# Altium PCB Driver.PcbDoc (part 1 of 2) (continued)
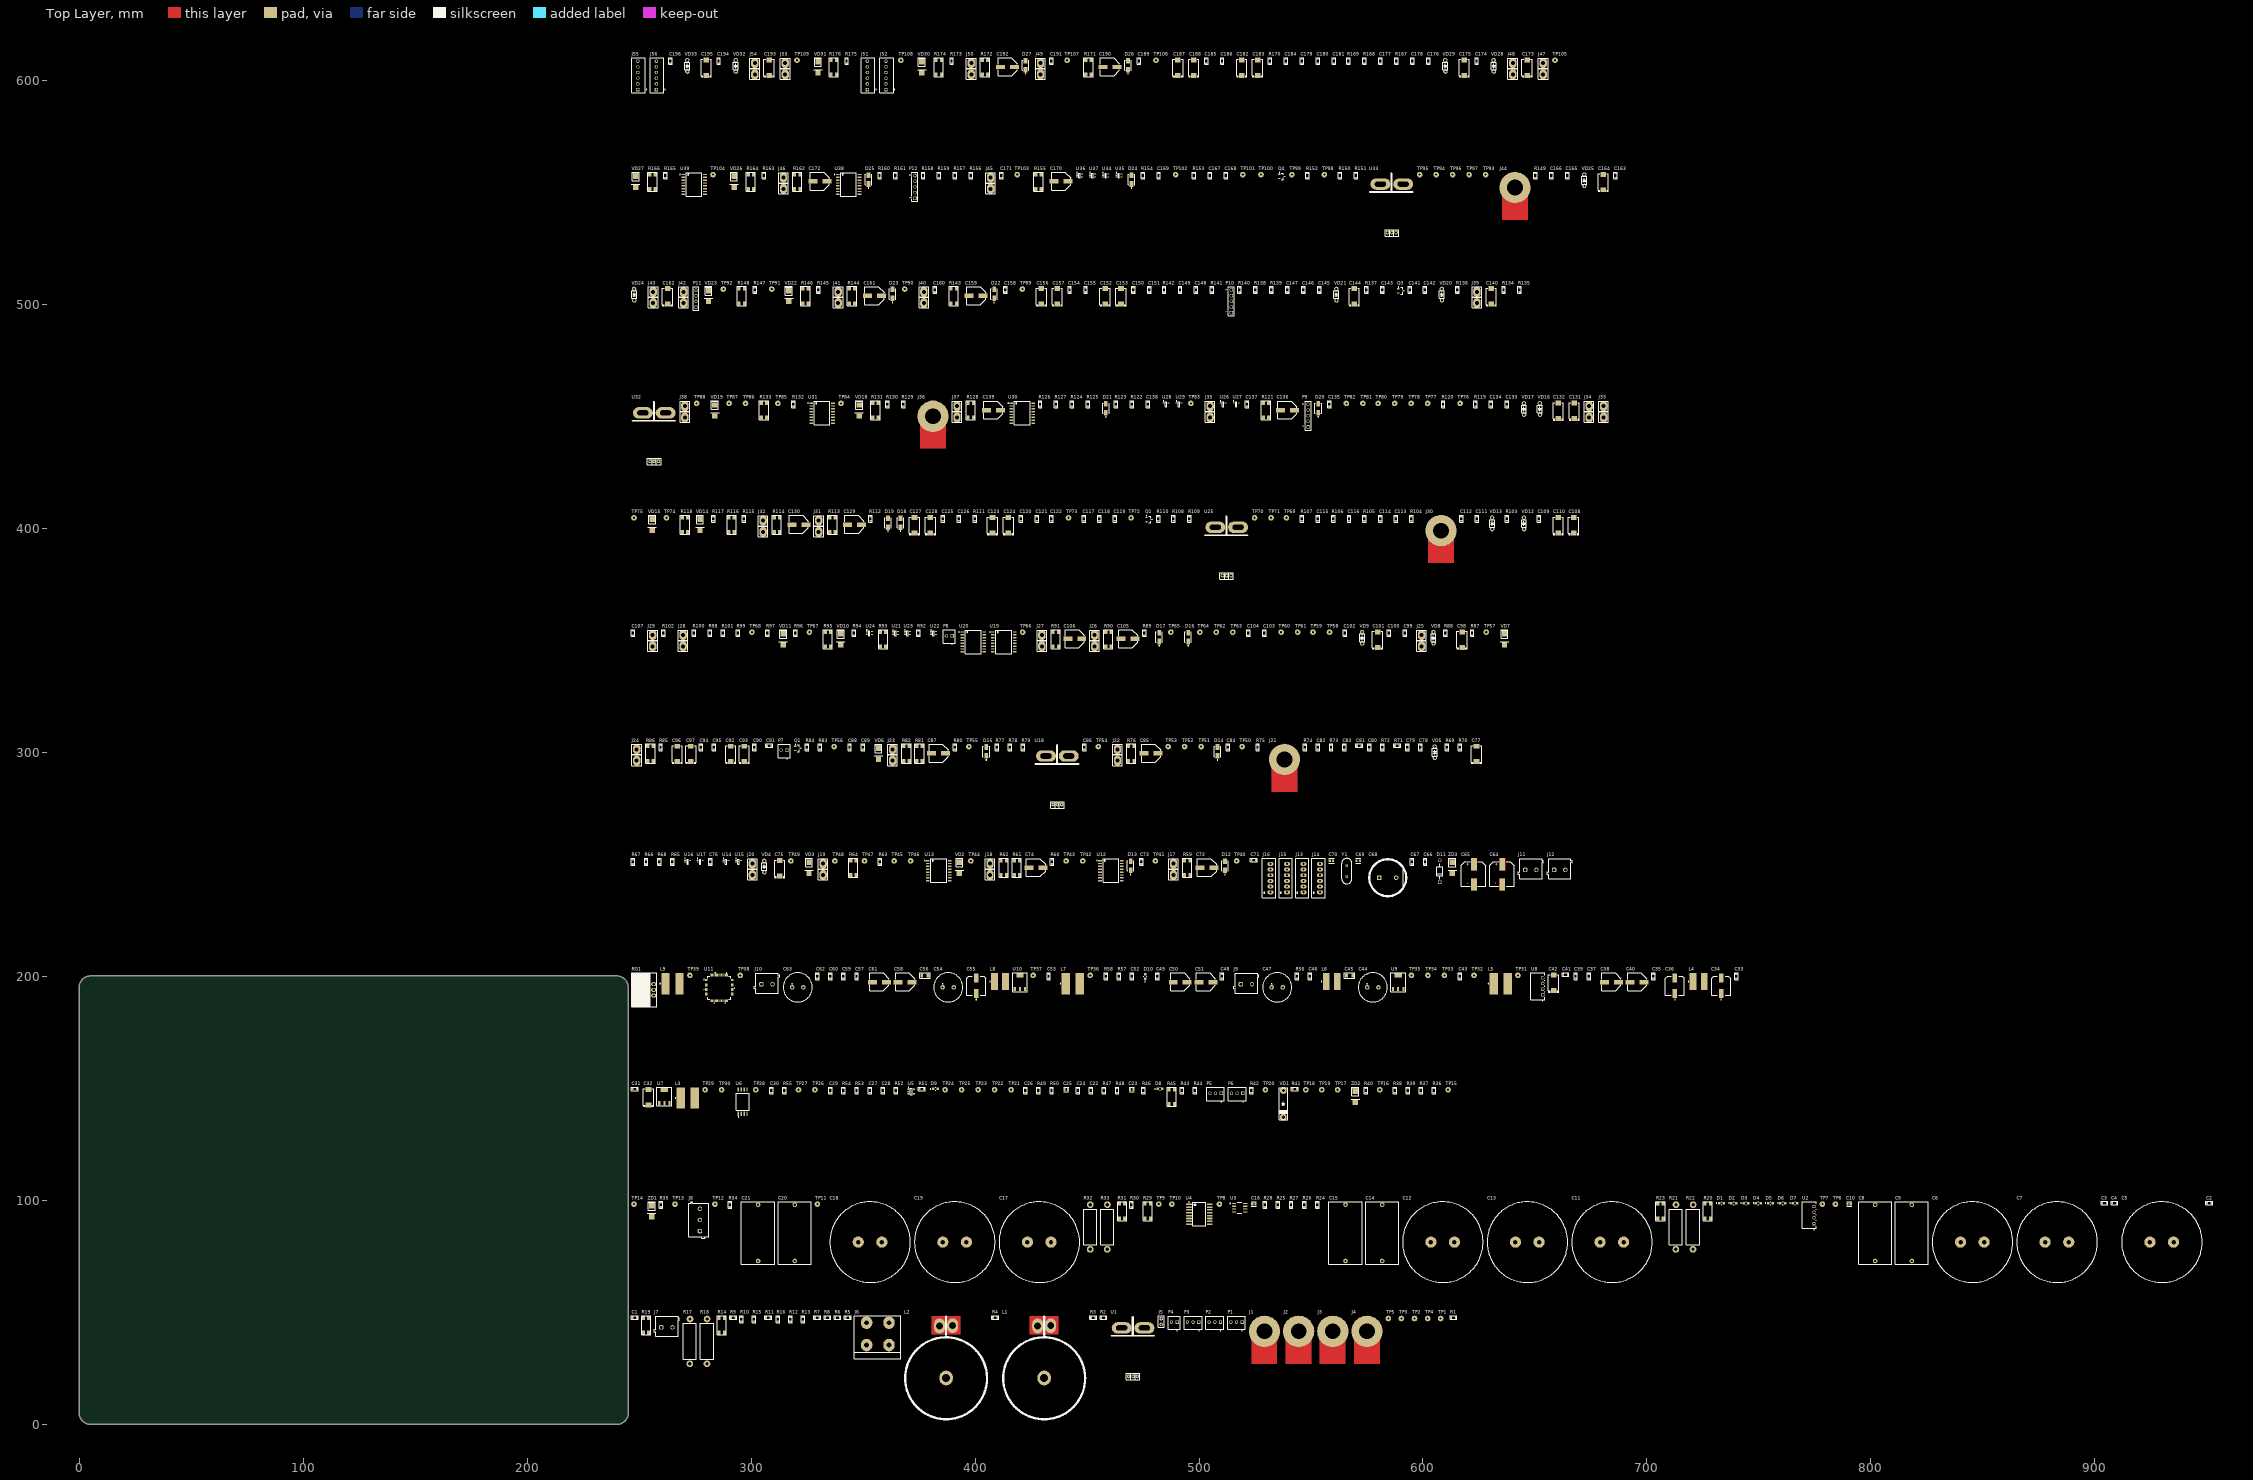
[diagram p0: Top Layer view]
## Components (designator, comment, footprint, x,y, rotation, side; value= is the part's Value field where it differs from the comment) (continued)
J49 "G" Klema_PCB_15A 429.209,605.28 r90 top
J50 "G" Klema_PCB_15A 398.289,605.28 r90 top
J51 "" Sullins_SWR25X-NRTC-S06-ST-BA_MFG 352.179,602.31 r90 top
J52 "" Sullins_SWR25X-NRTC-S06-ST-BA_MFG 360.499,602.31 r90 top
J53 "E" Klema_PCB_15A 315.189,605.28 r90 top
J54 "E" Klema_PCB_15A 301.599,605.28 r90 top
J55 "" Sullins_SWR25X-NRTC-S06-ST-BA_MFG 249.649,602.31 r90 top
J56 "" Sullins_SWR25X-NRTC-S06-ST-BA_MFG 257.969,602.31 r90 top
L1 "Coil" Coil_drosel 440.989,15.131 r0 top
L2 "Coil" Coil_drosel 397.189,15.131 r0 top
L3 "744776227" WE-PD2_1054 1541.637,1415.608 r0 top
L4 "1000µH, 0.3A" WE-PD2_7850 723.079,197.681 r0 top
L5 "744776227" WE-PD2_1054 1904.656,1466.688 r0 top
L6 "1000µH, 0.3A" WE-PD2_7850 559.239,197.681 r0 top
L7 "744776227" WE-PD2_1054 1713.627,1466.688 r0 top
L8 "1000µH, 0.3A" WE-PD2_7850 411.099,197.681 r0 top
L9 "744776227" WE-PD2_1054 1534.867,1466.688 r0 top
P1 "61900311121" 61900311121 516.709,45.231 r0 top
P2 "61900311121" 61900311121 507.029,45.231 r0 top
P3 "61900311121" 61900311121 497.349,45.231 r0 top
P4 "61900211121" 61900211121 488.939,45.231 r0 top
P5 "61900311121" 61900311121 507.359,147.391 r0 top
P6 "61900311121" 61900311121 517.039,147.391 r0 top
P7 "61900211121" 61900211121 314.689,300.63 r0 top
P8 "61900211121" 61900211121 388.429,351.71 r0 top
P9 "61300511121" 61300511121 548.709,450.34 r90 top
P10 "61300511121" 61300511121 514.449,501.42 r90 top
P11 "TSW-104-08-G-S" SMTC-TSW-104-08-X-S 275.349,498.8 r90 top
P12 "61300511121" 61300511121 373.129,552.5 r90 top
Q1 "BC847C" INF-SOT23_N 320.849,301.77 r0 top
Q2 "BC847C" INF-SOT23_N 477.709,403.93 r0 top
Q3 "BC847C" INF-SOT23_N 590.179,506.09 r0 top
Q4 "BC847C" INF-SOT23_N 536.979,557.17 r0 top
R1 "10K" RES-0805 613.589,47.571 r0 top
R2 "10K" RES-0805 457.319,47.571 r0 top
R3 "10K" RES-0805 452.799,47.571 r0 top
R4 "10K" RES-0805 408.999,47.571 r0 top
R5 "10K" RES-0805 343.089,47.571 r0 top
R6 "10K" RES-0805 338.569,47.571 r0 top
R7 "10K" RES-0805 329.539,47.571 r0 top
R8 "47K" RES-0805 334.059,47.571 r0 top
R9 "220" RES-0805 291.939,47.571 r0 top
R10 "220" RES-0805 295.699,46.801 r90 top
R11 "220" RES-0805 307.649,47.571 r0 top
R12 "220" RES-0805 317.579,46.801 r90 top
R13 "220" RES-0805 323.179,46.801 r90 top
R14 "330K" RES-2512 286.879,44.061 r90 top
R15 "220" RES-0805 301.289,46.801 r90 top
R16 "220" RES-0805 311.979,46.801 r90 top
R17 "100K" RES-2W 272.639,36.821 r90 top
R18 "100K" RES-2W 280.279,36.821 r90 top
R19 "330K" RES-2512 253.069,44.061 r90 top
R20 "330K" RES-2512 727.199,95.141 r90 top
R21 "100K" RES-2W 712.959,87.901 r90 top
R22 "100K" RES-2W 720.609,87.901 r90 top
R23 "330K" RES-2512 706.069,95.141 r90 top
R24 "10K" RES-0805 552.849,97.881 r90 top
R25 "10K" RES-0805 535.289,97.881 r90 top
R26 "10K" RES-0805 546.999,97.881 r90 top
R27 "10K" RES-0805 541.149,97.881 r90 top
R28 "10K" RES-0805 529.439,97.881 r90 top
R29 "330K" RES-2512 477.059,95.141 r90 top
R30 "100" RES-0805 469.919,97.881 r90 top
R31 "330K" RES-2512 465.629,95.141 r90 top
R32 "100K" RES-2W 451.389,87.901 r90 top
R33 "100K" RES-2W 459.039,87.901 r90 top
R34 "100" RES-0805 290.529,97.881 r90 top
R35 "10K" RES-0805 259.719,97.881 r90 top
R36 "10K" RES-0805 604.979,148.961 r90 top
R37 "220" RES-0805 599.119,148.961 r90 top
R38 "10K" RES-0805 587.419,148.961 r90 top
R39 "10K" RES-0805 593.269,148.961 r90 top
R40 "20K" RES-0805 574.459,148.961 r90 top
R41 "1K" RES-0805 542.689,149.731 r0 top
R42 "1K" RES-0805 523.369,148.961 r90 top
R43 "20K" RES-0805 492.309,148.961 r90 top
R44 "20K" RES-0805 498.159,148.961 r90 top
R45 "3K" RES-2512 487.749,146.221 r90 top
R46 "100K" RES-0805 475.139,148.961 r90 top
R47 "100K" RES-0805 457.599,148.961 r90 top
R48 "15K" RES-0805 463.449,148.961 r90 top
R49 "30K" RES-0805 428.349,148.961 r90 top
R50 "30K" RES-0805 434.199,148.961 r90 top
R51 "10K" RES-0805 376.129,149.731 r0 top
R52 "1K" RES-0805 364.699,148.961 r90 top
R53 "10K" RES-0805 347.149,148.961 r90 top
R54 "47K" RES-0805 341.289,148.961 r90 top
R55 "10K" RES-0805 314.859,148.961 r90 top
R56 "220" RES-0805 543.679,200.041 r90 top
R57 "10K" RES-0805 464.199,200.041 r90 top
R58 "10K" RES-0805 458.349,200.041 r90 top
R59 "10" RES-2512 494.719,248.38 r90 top
R60 "10K" RES-0805 434.409,251.12 r90 top
R61 "1K" RES-2512 418.639,248.38 r90 top
R62 "10" RES-2512 412.789,248.38 r90 top
R63 "10K" RES-0805 357.559,251.12 r90 top
R64 "1K" RES-2512 345.639,248.38 r90 top
R65 "10K" RES-0805 264.819,251.12 r90 top
R66 "10K" RES-0805 253.119,251.12 r90 top
R67 "10K" RES-0805 247.259,251.12 r90 top
R68 "10K" RES-0805 258.969,251.12 r90 top
R69 "10K" RES-0805 610.649,302.2 r90 top
R70 "10K" RES-0805 616.509,302.2 r90 top
R71 "100K" RES-0805 588.529,302.97 r0 top
R72 "10K" RES-0805 581.909,302.2 r90 top
R73 "100K" RES-0805 559.019,302.2 r90 top
R74 "10K" RES-0805 547.309,302.2 r90 top
R75 "3K" RES-0805 526.189,302.2 r90 top
R76 "10" RES-2512 469.749,299.46 r90 top
R77 "10K" RES-0805 409.739,302.2 r90 top
R78 "1K" RES-0805 415.589,302.2 r90 top
R79 "1K" RES-0805 421.439,302.2 r90 top
R80 "10K" RES-0805 390.939,302.2 r90 top
R81 "1K" RES-2512 375.159,299.46 r90 top
R82 "10" RES-2512 369.319,299.46 r90 top
R83 "1K" RES-0805 330.779,302.2 r90 top
R84 "10K" RES-0805 324.929,302.2 r90 top
R85 "10K" RES-0805 259.589,302.2 r90 top
R86 "1K" RES-2512 255.029,299.46 r90 top
R87 "10K" RES-0805 621.999,353.28 r90 top
R88 "47K" RES-0805 610.079,353.28 r90 top
R89 "10K" RES-0805 475.549,353.28 r90 top
R90 "10" RES-2512 459.499,350.54 r90 top
R91 "10" RES-2512 435.959,350.54 r90 top
R92 "10K" RES-0805 374.649,353.28 r90 top
R93 "1K" RES-2512 358.899,350.54 r90 top
R94 "10K" RES-0805 345.909,353.28 r90 top
R95 "1K" RES-2512 334.239,350.54 r90 top
R96 "10K" RES-0805 319.729,353.28 r90 top
R97 "10K" RES-0805 307.259,353.28 r90 top
R98 "10K" RES-0805 281.579,353.28 r90 top
R99 "10K" RES-0805 294.049,353.28 r90 top
R100 "10K" RES-0805 274.459,353.28 r90 top
R101 "10K" RES-0805 287.429,353.28 r90 top
R102 "47K" RES-0805 260.859,353.28 r90 top
R103 "3K" RES-0805 637.529,404.36 r90 top
R104 "100K" RES-0805 594.799,404.36 r90 top
R105 "10K" RES-0805 573.939,404.36 r90 top
R106 "100K" RES-0805 559.959,404.36 r90 top
R107 "10K" RES-0805 545.969,404.36 r90 top
R108 "1K" RES-0805 488.659,404.36 r90 top
R109 "1K" RES-0805 495.789,404.36 r90 top
R110 "1K" RES-0805 481.799,404.36 r90 top
R111 "10K" RES-0805 399.859,404.36 r90 top
R112 "10K" RES-0805 353.349,404.36 r90 top
R113 "10" RES-2512 336.289,401.62 r90 top
R114 "10" RES-2512 311.459,401.62 r90 top
R115 "10K" RES-0805 296.829,404.36 r90 top
R116 "1K" RES-2512 291.249,401.62 r90 top
R117 "10K" RES-0805 283.099,404.36 r90 top
R118 "1K" RES-2512 270.399,401.62 r90 top
R119 "10K" RES-0805 623.539,455.44 r90 top
R120 "10K" RES-0805 609.049,455.44 r90 top
R121 "10" RES-2512 529.889,452.7 r90 top
R122 "10K" RES-0805 469.999,455.44 r90 top
R123 "10K" RES-0805 462.879,455.44 r90 top
R124 "10K" RES-0805 443.309,455.44 r90 top
R125 "10K" RES-0805 450.429,455.44 r90 top
R126 "10K" RES-0805 429.059,455.44 r90 top
R127 "10K" RES-0805 436.179,455.44 r90 top
R128 "10" RES-2512 398.069,452.7 r90 top
R129 "3K" RES-0805 367.919,455.44 r90 top
R130 "10K" RES-0805 360.799,455.44 r90 top
R131 "1K" RES-2512 355.479,452.7 r90 top
R132 "10K" RES-0805 318.909,455.44 r90 top
R133 "1K" RES-2512 305.719,452.7 r90 top
R134 "1K" RES-0805 636.069,506.52 r90 top
R135 "1K" RES-0805 643.189,506.52 r90 top
R136 "1K" RES-0805 615.359,506.52 r90 top
R137 "10K" RES-0805 574.849,506.52 r90 top
R138 "10K" RES-0805 525.269,506.52 r90 top
R139 "100K" RES-0805 532.389,506.52 r90 top
R140 "10K" RES-0805 518.149,506.52 r90 top
R141 "20K" RES-0805 505.829,506.52 r90 top
R142 "10K" RES-0805 484.469,506.52 r90 top
R143 "10" RES-2512 390.399,503.78 r90 top
R144 "10" RES-2512 344.989,503.78 r90 top
R145 "10K" RES-0805 330.099,506.52 r90 top
R146 "1K" RES-2512 324.279,503.78 r90 top
R147 "10K" RES-0805 301.639,506.52 r90 top
R148 "1K" RES-2512 295.809,503.78 r90 top
R149 "3K" RES-0805 650.209,557.6 r90 top
R150 "1K" RES-0805 562.909,557.6 r90 top
R151 "1K" RES-0805 570.029,557.6 r90 top
R152 "1K" RES-0805 548.419,557.6 r90 top
R153 "10K" RES-0805 497.759,557.6 r90 top
R154 "10K" RES-0805 474.889,557.6 r90 top
R155 "10" RES-2512 428.329,554.86 r90 top
R156 "10K" RES-0805 398.199,557.6 r90 top
R157 "10K" RES-0805 391.069,557.6 r90 top
R158 "10K" RES-0805 376.829,557.6 r90 top
R159 "10K" RES-0805 383.949,557.6 r90 top
R160 "10K" RES-0805 357.389,557.6 r90 top
R161 "10K" RES-0805 364.509,557.6 r90 top
R162 "10" RES-2512 320.559,554.86 r90 top
R163 "10K" RES-0805 305.669,557.6 r90 top
R164 "1K" RES-2512 299.849,554.86 r90 top
R165 "10K" RES-0805 261.759,557.6 r90 top
R166 "1K" RES-2512 255.929,554.86 r90 top
R167 "100K" RES-0805 588.169,608.68 r90 top
R168 "10K" RES-0805 573.919,608.68 r90 top
R169 "100K*" RES-0805 566.799,608.68 r90 top
R170 "10K" RES-0805 531.699,608.68 r90 top
R171 "10" RES-2512 450.609,605.94 r90 top
R172 "10" RES-2512 404.439,605.94 r90 top
R173 "10K" RES-0805 389.549,608.68 r90 top
R174 "1K" RES-2512 383.729,605.94 r90 top
R175 "10K" RES-0805 342.669,608.68 r90 top
R176 "1K" RES-2512 336.839,605.94 r90 top
RG1 "LM7805CT" TO-220_Bended_Rad 253.399,194.431 r90 top
TP1 "Test_Point_PCB" Test_Point 607.889,47.161 r0 top
TP2 "" Test_Point 596.209,47.161 r0 top
TP3 "" Test_Point 590.369,47.161 r0 top
TP4 "" Test_Point 602.049,47.161 r0 top
TP5 "" Test_Point 584.529,47.161 r0 top
TP6 "Test_Point_PCB" Test_Point 784.198,98.241 r0 top
TP7 "" Test_Point 778.358,98.241 r0 top
TP8 "Test_Point_PCB" Test_Point 509.079,98.241 r0 top
TP9 "Test_Point_PCB" Test_Point 482.009,98.241 r0 top
TP10 "Test_Point_PCB" Test_Point 487.849,98.241 r90 top
TP11 "Test_Point_PCB" Test_Point 329.539,98.241 r90 top
TP12 "Test_Point_PCB" Test_Point 283.809,98.241 r90 top
TP13 "Test_Point_PCB" Test_Point 265.969,98.241 r90 top
TP14 "" Test_Point 247.659,98.241 r90 top
TP15 "" Test_Point 611.219,149.321 r90 top
TP16 "Test_Point_PCB" Test_Point 580.709,149.321 r90 top
TP17 "" Test_Point 561.889,149.321 r90 top
TP18 "" Test_Point 547.669,149.321 r90 top
TP19 "Test_Point_PCB" Test_Point 554.779,149.321 r90 top
TP20 "" Test_Point 529.619,149.321 r90 top
TP21 "Test_Point_PCB" Test_Point 416.039,149.321 r90 top
TP22 "Test_Point_PCB" Test_Point 408.679,149.321 r90 top
TP23 "Test_Point_PCB" Test_Point 401.309,149.321 r90 top
TP24 "Test_Point_PCB" Test_Point 386.579,149.321 r90 top
TP25 "Test_Point_PCB" Test_Point 393.949,149.321 r90 top
TP26 "Test_Point_PCB" Test_Point 328.469,149.321 r90 top
TP27 "Test_Point_PCB" Test_Point 321.109,149.321 r90 top
TP28 "Test_Point_PCB" Test_Point 302.039,149.321 r90 top
TP29 "Test_Point_PCB" Test_Point 279.389,149.321 r90 top
TP30 "Test_Point_PCB" Test_Point 286.759,149.321 r90 top
TP31 "Test_Point_PCB" Test_Point 642.409,200.401 r90 top
TP32 "Test_Point_PCB" Test_Point 622.789,200.401 r90 top
TP33 "Test_Point_PCB" Test_Point 609.579,200.401 r90 top
TP34 "Test_Point_PCB" Test_Point 602.209,200.401 r90 top
TP35 "Test_Point_PCB" Test_Point 594.849,200.401 r90 top
TP36 "Test_Point_PCB" Test_Point 451.379,200.401 r90 top
TP37 "Test_Point_PCB" Test_Point 425.919,200.401 r90 top
TP38 "" Test_Point 295.109,200.401 r90 top
TP39 "Test_Point_PCB" Test_Point 272.619,200.401 r90 top
TP40 "Test_Point_PCB" Test_Point 516.759,251.48 r90 top
TP41 "Test_Point_PCB" Test_Point 480.499,251.48 r90 top
TP42 "Test_Point_PCB" Test_Point 448.029,251.48 r90 top
TP43 "Test_Point_PCB" Test_Point 440.659,251.48 r90 top
TP44 "Test_Point_PCB" Test_Point 398.059,251.48 r90 top
TP45 "Test_Point_PCB" Test_Point 363.809,251.48 r90 top
TP46 "Test_Point_PCB" Test_Point 371.169,251.48 r90 top
TP47 "Test_Point_PCB" Test_Point 350.589,251.48 r90 top
TP48 "Test_Point_PCB" Test_Point 337.379,251.48 r90 top
TP49 "Test_Point_PCB" Test_Point 317.689,251.48 r90 top
TP50 "Test_Point_PCB" Test_Point 519.219,302.56 r90 top
TP51 "Test_Point_PCB" Test_Point 500.929,302.56 r90 top
TP52 "Test_Point_PCB" Test_Point 493.559,302.56 r90 top
TP53 "Test_Point_PCB" Test_Point 486.199,302.56 r90 top
TP54 "Test_Point_PCB" Test_Point 455.019,302.56 r90 top
TP55 "" Test_Point 397.189,302.56 r90 top
TP56 "Test_Point_PCB" Test_Point 337.029,302.56 r90 top
TP57 "Test_Point_PCB" Test_Point 628.249,353.64 r90 top
TP58 "Test_Point_PCB" Test_Point 558.259,353.64 r90 top
TP59 "Test_Point_PCB" Test_Point 550.889,353.64 r90 top
TP60 "Test_Point_PCB" Test_Point 536.669,353.64 r90 top
TP61 "Test_Point_PCB" Test_Point 544.039,353.64 r90 top
TP62 "Test_Point_PCB" Test_Point 507.699,353.64 r90 top
TP63 "Test_Point_PCB" Test_Point 515.069,353.64 r90 top
TP64 "Test_Point_PCB" Test_Point 500.339,353.64 r90 top
TP65 "Test_Point_PCB" Test_Point 487.389,353.64 r90 top
TP66 "" Test_Point 421.229,353.64 r90 top
TP67 "Test_Point_PCB" Test_Point 325.979,353.64 r90 top
TP68 "Test_Point_PCB" Test_Point 300.299,353.64 r90 top
TP69 "Test_Point_PCB" Test_Point 538.999,404.72 r90 top
TP70 "Test_Point_PCB" Test_Point 524.779,404.72 r90 top
TP71 "Test_Point_PCB" Test_Point 532.139,404.72 r90 top
TP72 "Test_Point_PCB" Test_Point 469.659,404.72 r90 top
TP73 "Test_Point_PCB" Test_Point 441.689,404.72 r90 top
TP74 "Test_Point_PCB" Test_Point 262.149,404.72 r90 top
TP75 "Test_Point_PCB" Test_Point 247.659,404.72 r90 top
TP76 "Test_Point_PCB" Test_Point 616.569,455.8 r90 top
TP77 "Test_Point_PCB" Test_Point 602.079,455.8 r90 top
TP78 "Test_Point_PCB" Test_Point 594.719,455.8 r90 top
TP79 "Test_Point_PCB" Test_Point 587.359,455.8 r90 top
TP80 "Test_Point_PCB" Test_Point 579.989,455.8 r90 top
TP81 "Test_Point_PCB" Test_Point 573.139,455.8 r90 top
TP82 "Test_Point_PCB" Test_Point 565.769,455.8 r90 top
TP83 "Test_Point_PCB" Test_Point 496.339,455.8 r90 top
TP84 "Test_Point_PCB" Test_Point 340.099,455.8 r90 top
TP85 "Test_Point_PCB" Test_Point 311.939,455.8 r90 top
TP86 "Test_Point_PCB" Test_Point 297.459,455.8 r90 top
TP87 "Test_Point_PCB" Test_Point 290.099,455.8 r90 top
TP88 "Test_Point_PCB" Test_Point 275.609,455.8 r90 top
TP89 "Test_Point_PCB" Test_Point 421.079,506.88 r90 top
TP90 "Test_Point_PCB" Test_Point 368.549,506.88 r90 top
TP91 "Test_Point_PCB" Test_Point 309.149,506.88 r90 top
TP92 "Test_Point_PCB" Test_Point 287.549,506.88 r90 top
TP93 "Test_Point_PCB" Test_Point 627.969,557.96 r90 top
TP94 "Test_Point_PCB" Test_Point 605.879,557.96 r90 top
TP95 "Test_Point_PCB" Test_Point 598.509,557.96 r90 top
TP96 "Test_Point_PCB" Test_Point 613.239,557.96 r90 top
TP97 "Test_Point_PCB" Test_Point 620.609,557.96 r90 top
TP98 "Test_Point_PCB" Test_Point 555.939,557.96 r90 top
TP99 "Test_Point_PCB" Test_Point 541.449,557.96 r90 top
TP100 "Test_Point_PCB" Test_Point 527.649,557.96 r90 top
TP101 "Test_Point_PCB" Test_Point 519.519,557.96 r90 top
TP102 "Test_Point_PCB" Test_Point 489.529,557.96 r90 top
TP103 "Test_Point_PCB" Test_Point 418.799,557.96 r90 top
TP104 "Test_Point_PCB" Test_Point 282.939,557.96 r90 top
TP105 "Test_Point_PCB" Test_Point 658.949,609.04 r90 top
TP106 "Test_Point_PCB" Test_Point 480.779,609.04 r90 top
TP107 "Test_Point_PCB" Test_Point 441.089,609.04 r90 top
TP108 "Test_Point_PCB" Test_Point 366.819,609.04 r90 top
TP109 "Test_Point_PCB" Test_Point 320.449,609.04 r90 top
U1 "" ACS758-100 470.519,31.131 r0 top
U2 "B0505S-1W" B0505S-1W 772.508,93.361 r90 top
U3 "MAX485" SOIC-8-MFG 518.069,96.641 r0 top
U4 "ADUM1401BRWZ" ADI-RW-16_M 500.129,93.721 r0 top
U5 "" SOT-23-5 371.469,148.511 r0 top
U6 "AMC1311" FP-DWV0008A-MFG 296.189,144.041 r90 top
U7 "AMS1117-3v3" SOT-223-3 261.219,146.271 r0 top
U8 "B0505S-1W" B0505S-1W 651.329,195.521 r90 top
U9 "AMS1117-3v3" SOT-223-3 588.919,197.351 r0 top
U10 "AMS1117-3v3" SOT-223-3 419.989,197.351 r0 top
U11 "STM32F303RBT6" LQFP64-10x10mm 285.729,194.811 r0 top
U12 "UCC21520DW" FP-DW0016B-MFG 460.629,247.14 r0 top
U13 "UCC21520DW" FP-DW0016B-MFG 383.779,247.14 r0 top
U14 "74LVC1G14" SOT23-5_N 288.679,251.1 r0 top
U15 "74LVC1G14" SOT23-5_N 294.269,251.1 r0 top
U16 "74LVC1G14" SOT23-5_N 271.639,251.1 r0 top
U17 "74LVC1G14" SOT23-5_N 277.229,251.1 r0 top
U18 "ACS758" ACS758-100 436.729,286.53 r0 top
U19 "UCC21520DW" FP-DW0016B-MFG 412.799,349.3 r0 top
U20 "UCC21520DW" FP-DW0016B-MFG 399.129,349.3 r0 top
U21 "74LVC1G14" SOT23-5_N 364.419,353.26 r0 top
U22 "74LVC1G14" SOT23-5_N 381.469,353.26 r0 top
U23 "74LVC1G14" SOT23-5_N 369.769,353.26 r0 top
U24 "74LVC1G14" SOT23-5_N 352.729,353.26 r0 top
U25 "ACS758" ACS758-100 512.339,388.69 r0 top
U26 "74LVC1G14" SOT23-5_N 510.749,455.42 r0 top
U27 "74LVC1G14" SOT23-5_N 516.599,455.42 r0 top
U28 "74LVC1G14" SOT23-5_N 485.209,455.42 r0 top
U29 "74LVC1G14" SOT23-5_N 491.059,455.42 r0 top
U30 "UCC21520DW" FP-DW0016B-MFG 421.029,451.46 r0 top
U31 "UCC21520DW" FP-DW0016B-MFG 331.669,451.46 r0 top
U32 "ACS758" ACS758-100 256.699,439.77 r0 top
U33 "ACS758" ACS758-100 586.079,541.93 r0 top
U34 "74LVC1G14" SOT23-5_N 458.309,557.58 r0 top
U35 "74LVC1G14" SOT23-5_N 464.159,557.58 r0 top
U36 "74LVC1G14" SOT23-5_N 446.609,557.58 r0 top
U37 "74LVC1G14" SOT23-5_N 452.459,557.58 r0 top
U38 "UCC21520DW" FP-DW0016B-MFG 343.519,553.62 r0 top
U39 "UCC21520DW" FP-DW0016B-MFG 274.519,553.62 r0 top
VD1 "" DO-017AA 537.649,143.021 r90 top
VD2 "SMBJ18CA" DO-214AA 392.979,246.27 r90 top
VD3 "SMBJ18CA" DO-214AA 325.829,246.27 r90 top
VD4 "5.1V" DO-35 305.829,248.94 r90 top
VD5 "5.1V" DO-35 605.259,300.02 r90 top
VD6 "SMBJ18CA" DO-214AA 356.869,297.35 r90 top
VD7 "SMBJ18CA" DO-214AA 636.389,348.43 r90 top
VD8 "5.1V" DO-35 604.689,351.1 r90 top
VD9 "5.1V" DO-35 572.789,351.1 r90 top
VD10 "SMBJ18CA" DO-214AA 339.959,348.43 r90 top
VD11 "SMBJ18CA" DO-214AA 314.289,348.43 r90 top
VD12 "5.1V" DO-35 645.099,402.18 r90 top
VD13 "5.1V" DO-35 630.869,402.18 r90 top
VD14 "SMBJ18CA" DO-214AA 277.149,399.51 r90 top
VD15 "SMBJ18CA" DO-214AA 255.799,399.51 r90 top
VD16 "5.1V" DO-35 652.209,453.26 r90 top
VD17 "5.1V" DO-35 645.099,453.26 r90 top
VD18 "SMBJ18CA" DO-214AA 348.239,450.59 r90 top
VD19 "SMBJ18CA" DO-214AA 283.749,450.59 r90 top
VD20 "5.1V" DO-35 608.439,504.34 r90 top
VD21 "5.1V" DO-35 561.329,504.34 r90 top
VD22 "SMBJ18CA" DO-214AA 316.779,501.67 r90 top
VD23 "SMBJ18CA" DO-214AA 280.949,501.67 r90 top
VD24 "5.1V" DO-35 247.709,504.34 r90 top
VD25 "5.1V" DO-35 672.019,555.42 r90 top
VD26 "SMBJ18CA" DO-214AA 292.349,552.75 r90 top
VD27 "SMBJ18CA" DO-214AA 248.429,552.75 r90 top
VD28 "5.1V" DO-35 631.569,606.5 r90 top
VD29 "5.1V" DO-35 609.979,606.5 r90 top
VD30 "SMBJ18CA" DO-214AA 376.229,603.83 r90 top
VD31 "SMBJ18CA" DO-214AA 329.849,603.83 r90 top
VD32 "5.1V" DO-35 293.069,606.5 r90 top
VD33 "5.1V" DO-35 271.469,606.5 r90 top
Y1 "FOXSLF/120-20" FOX-FOXSLF-2_V 565.959,246.93 r90 top
ZD1 "P6SMB16CA" DO-214AA 255.549,93.031 r90 top
ZD2 "P6SMB16CA" DO-214AA 569.779,144.111 r90 top
ZD3 "P6SMB16CA" DO-214AA 613.109,246.27 r90 top

## Footprints (in the part's own frame and the unit in brackets; to place one, negate y for a bottom-side part, rotate by r counter-clockwise, add the part's x,y. Pads: shape width x height; smd on the part's side, far side on the other; paste and mask are expansions set on the pad)
500V_470uF [mm]
  round 5 hole 2: 1(-5.334,0) 2(5.207,0)
  silkscreen extent -18,-18 18,18, body extent -17.6,-17.6 17.61,17.61, height 59.97
1000uF_10V_Size_F [mm]
  rect 5.5x2.5 smd: 1(4.5,0) 2(-4.5,0)
  Top Layer region: -7.25,-1.25 -1.75,-1.25 -1.75,1.25 -7.25,1.25
  Top Layer region: 1.778,-1.27 7.278,-1.27 7.278,1.23 1.778,1.23
  silkscreen extent -5.21,-5.33 5.71,5.59, body extent -5.85,-5.15 5.85,5.15, height 10.32
61300511121 [mm] "Pin Header, pitch 2.54 mm, THT, Vertical, single row, 5p"
  rrect50% 1.6x1.6 hole 1.1: 1(-5.08,0)
  round 1.6 hole 1.1: 2(-2.54,0) 3(0,0) 4(2.54,0) 5(5.08,0)
  silkscreen extent -6.5,-1.35 6.5,1.35, body extent -6.35,-1.27 6.35,1.27, height 8.57
61900211121 [mm] "2.54mm Male Locking Header, 2p"
  rect 1.5x1.5 hole 1: 1(1.27,0.3)
  round 1.5 hole 1: 2(-1.27,0.3)
  silkscreen extent -2.71,-3.52 2.71,2.98, body extent -2.54,-2.9 2.54,2.9, height 11.53
61900311121 [mm] "2.54mm Male Locking Header, 3p"
  rect 1.5x1.5 hole 1: 1(2.54,0.3)
  round 1.5 hole 1: 2(0,0.3) 3(-2.54,0.3)
  silkscreen extent -3.98,-3.52 3.98,2.98, body extent -3.81,-2.9 3.81,2.9, height 11.53
691101710002 [mm] "5,00mm - modular - blue - Horizontal entry with pressure clamp - 12,6mm height - 02p"
  rrect50% 1.95x1.95 hole 1.3: 1(-2.5,-0.5)
  round 1.95 hole 1.3: 2(2.5,-0.5)
  silkscreen extent -5.6,-4.5 5.6,4.5, body extent -5.6,-4.5 5.6,4.5, height 12.65
691101710003 [mm] "5,00mm - modular - blue - Horizontal entry with pressure clamp - 12,6mm height - 03p"
  rrect50% 1.95x1.95 hole 1.3: 1(-5,-0.5)
  round 1.95 hole 1.3: 2(0,-0.5) 3(5,-0.5)
  silkscreen extent -8.1,-4.5 8.1,4.5, body extent -8.1,-4.5 8.1,4.5, height 12.65
ACS758-100 [mil]
  oval 60x70 hole 30: 1(-75,-385) 2(0,-385) 3(75,-385)
  oval 350x200 hole 90 slot 195 at 0 deg: 4(200,465) 5(-200,465)
  silkscreen extent -385,-449 370,665, body extent -276,-404 276,492, height 280
ADI-RW-16_M [mm] "SOIC, 16-Leads, Body 10.3x7.5mm, Pitch 1.27mm, IPC Low Density"
  oval 2.6x0.7 smd: 1(-4.625,4.445) 2(-4.625,3.175) 3(-4.625,1.905) 4(-4.625,0.635) 5(-4.625,-0.635) 6(-4.625,-1.905) 7(-4.625,-3.175) 8(-4.625,-4.445) 9(4.625,-4.445) 10(4.625,-3.175) 11(4.625,-1.905) 12(4.625,-0.635) 13(4.625,0.635) 14(4.625,1.905) 15(4.625,3.175) 16(4.625,4.445)
  silkscreen extent -4.75,-5.25 2.93,5.47, body extent -3.8,-5.25 3.8,5.25, height 2.65
B6B-XH-TW [mm]
  oval 1.75x2.7 hole 1: 1(-6.35,-0.635) 2(-3.81,-0.635) 3(-1.27,-0.635) 4(1.27,-0.635) 5(3.81,-0.635) 6(6.35,-0.635)
  silkscreen extent -8.76,-2.92 8.76,2.92, body extent -8.75,-2.88 8.75,2.88, height 6.88
B0505S-1W [mm]
  rect 1.55x1.55 hole 1 paste-2539.97 mask+0: 1(-3.81,-2.1)
  round 1.55 hole 1 paste-2539.97 mask+0: 2(-1.27,-2.1) 3(1.27,-2.1) 4(3.81,-2.1)
  silkscreen extent -6.52,-3.13 5.92,3.13, body extent -6.02,-3.22 6.02,3.22, height 0.25
CAP-0805 [mm]
  rect 0.8x1.25 smd mask+0.015: 1(-1,0) 2(1,0)
  silkscreen extent -1.52,-0.76 1.52,0.76, body extent -1,-0.62 1,0.63, height 0.8
CAP-1206 [mm]
  rect 1.3x1.8 smd: 1(-1.425,0) 2(1.425,0)
  silkscreen extent -2.37,-1.2 2.37,1.2, body extent -1.68,-0.87 1.67,0.87, height 0.95
CAP-TAN-D [mm]
  rect 2.2x2.5 smd: 1(-3.45,0) 2(3.45,0)
  silkscreen extent -4.5,-2.4 3.65,2.4, body extent -3.8,-2.3 3.8,2.3, height 4
CAP_4.7uF_630V [mil]
  round 80 hole 40: 1(-495,0) 2(495,0)
  silkscreen extent -550,-293 550,293, body extent -527,-289 527,289, height 1242
CAP_SMD_Size_E [mm]
  rect 4x2 smd: 1(3.175,0) 2(-3.048,0)
  silkscreen extent -4.19,-3.94 4.32,4.06, body extent -4.25,-4 4.25,4, height 10.59
CAP_SMD_Size_G [mm]
  rect 4x2 smd paste+0 mask+0: 1(3.55,0) 2(-3.55,0)
  silkscreen extent -6.27,-4.25 4.25,4.25, body extent -5.8,-4.5 5.8,4.5, height 0.25
CAPPOL-12x25 [mm]
  round 2 hole 1: 1(-2.5,0) 2(2.5,0)
  silkscreen extent -6.5,-6.5 6.5,6.5, body extent -6.25,-6.25 6.25,6.25, height 25
CAPPOL-16x25 [mm]
  rect 2x2 hole 1.2 paste-2539.97 mask+0: 1(-3.75,0)
  round 2 hole 1.2 paste-2539.97 mask+0: 2(3.75,0)
  silkscreen extent -8.25,-8.25 8.25,8.25, body extent -8.35,-8.35 8.35,8.35, height 0.25
Coil_drosel [mil]
  oval 190x259.84 hole 120: 1(-515,1130) 2(-285,1135)
  oval 236.22x260 hole 140: GND(-400,215)
  Top Layer region: -655,975 -420,975 -420,1305 -655,1305
  Top Layer region: -380,975 -145,975 -145,1305 -380,1305
  Bottom Layer region: -655,975 -420,975 -420,1305 -655,1305
  Bottom Layer region: -380,975 -145,975 -145,1305 -380,1305
  silkscreen extent -1120,-510 320,1290, body extent -1145,-540 351,1170, height 826
Conn_Tianli_T-800 [mm]
  oval 5.08x5.588 hole 2.159: 1(-5,-5) 1(-5,5) 2(5,-5) 2(5,5)
  silkscreen extent -10.41,-11.05 10.16,8, body extent -10.25,-11.3 10.25,7.55, height 30.75
DO-017AA [mm]
  oval 3.1x3 hole 1.4: 1(-6,0) 2(6,0)
  silkscreen extent -7.2,-1.85 7.15,1.83, body extent -6.63,-1.7 6.37,1.7, height 3.4
DO-35 [mm]
  round 2 hole 1: 1(-2.5,-0.05) 2(2.575,0.025)
  silkscreen extent -1.68,-1.1 1.75,1.1, body extent -2.82,-0.9 2.82,0.9, height 1.82
DO-214AA [mm]
  rect 2.4x2.4 smd: 1(-0.381,0) 2(4.5,0)
  silkscreen extent 1.02,-1.91 6.35,1.91, body extent -0.75,-1.97 4.85,1.97, height 2.65
FOX-FOXSLF-2_V [mm] "THD, 2-Leads, Body 11.35x4.65mm, Pitch 4.88mm"
  round 1.2 hole 0.7: 1(-2.44,0) 2(2.44,0)
  silkscreen extent -5.68,-2.32 5.68,2.32, body extent -5.67,-2.32 5.68,2.32, height 3.6
FP-6_561-5001_02-4-MFG [mm]
  rect 1.6x1.6 hole 1.05 paste-2539.97 mask+0: 1(-4.888,0)
  round 1.6 hole 1.05 paste-2539.97 mask+0: 2(4.888,0)
  silkscreen extent -3.45,-1.3 3.45,1.3, body extent -5.79,-1.4 5.79,1.4, height 0.25
FP-C0805C-DN-MFG [mm]
  rect 0.95x1.35 smd paste+0 mask+0: 1(-0.75,0) 2(0.75,0)
  silkscreen extent -1.1,-1.07 1.1,1.07, body extent -1.4,-0.85 1.4,0.85, height 0.25
FP-DW0016B-MFG [mm]
  rrect17% 1.65x0.6 smd paste+0 mask+0: 1(-4.875,4.445) 2(-4.875,3.175) 3(-4.875,1.905) 4(-4.875,0.635) 5(-4.875,-0.635) 6(-4.875,-1.905) 7(-4.875,-3.175) 8(-4.875,-4.445) 9(4.875,-4.445) 10(4.875,-3.175) 11(4.875,-1.905) 12(4.875,-0.635) 13(4.875,0.635) 14(4.875,1.905) 15(4.875,3.175) 16(4.875,4.445)
  silkscreen extent -6.37,-5.25 3.5,5.25, body extent -5.8,-5.5 5.8,5.5, height 0.25
FP-DWV0008A-MFG [mm]
  rect 1.8x0.6 smd paste+0 mask+0: 1(-5.45,1.905) 2(-5.45,0.635) 3(-5.45,-0.635) 4(-5.45,-1.905) 5(5.45,-1.905) 6(5.45,-0.635) 7(5.45,0.635) 8(5.45,1.905)
  silkscreen extent -7.1,-2.98 3.8,2.98, body extent -6.45,-3.22 6.45,3.22, height 0.25
FP-GRM21B-0_1-IPC_C [mm]
  rect 0.958x1.262 smd paste+0 mask+0: 1(-0.727,0) 2(0.727,0)
  silkscreen extent -1.21,-1.07 1.21,1.07, body extent -1.31,-0.77 1.31,0.77, height 0.25
INF-SOT23_N [mm] "SOT23, 3-Leads, Body 2.9x1.3 mm, Pitch 0.95 mm, IPC Medium Density"
  rect 1.05x0.6 smd: 1(-1.15,0.95) 2(-1.15,-0.95) 3(1.15,0)
  silkscreen extent -1.27,-1.5 0.7,1.92, body extent -0.7,-1.5 0.7,1.5, height 1.1
Jumper_2.54 [mm]
  round 1.6 hole 0.762: 1(-1.27,0) 2(1.27,0)
  silkscreen extent -2.54,-1.27 2.54,1.27, body extent -2.6,-1.27 2.6,1.27, height 9
Klema_100A [mm]
  round 14 hole 7: 1(0,0)
  Top Layer region: -14.478,-5.715 0,-5.715 0,5.842 -14.478,5.842
  Bottom Layer region: -14.478,-5.715 0,-5.715 0,5.842 -14.478,5.842
Klema_PCB_15A [mil]
  oval 180x130 hole 70: 1(-100,0) 1(100,0)
  silkscreen extent -185,-85 185,85, body extent -161,-16 161,16, height 505
LED_BLUE [mm]
  rect 1.1x1.2 smd paste+0 mask+0: 1(-1.05,0) 2(1.05,0)
  silkscreen extent -2.27,-0.67 0.13,0.67, body extent -1,-0.63 1,0.63, height 0.8
LED_GREEN [mm]
  rect 1.1x1.2 smd paste+0 mask+0: 1(-1.05,0) 2(1.05,0)
  silkscreen extent -2.27,-0.67 0.13,0.67, body extent -1,-0.63 1,0.63, height 0.8
LED_RED [mm]
  rect 1.1x1.2 smd paste+0 mask+0: 1(-1.05,0) 2(1.05,0)
  silkscreen extent -2.27,-0.67 0.13,0.67, body extent -1.7,-0.77 1.7,0.77, height 0.25
LED_YELLOW [mm]
  rect 1.1x1.2 smd paste+0 mask+0: 1(-1.05,0) 2(1.05,0)
  silkscreen extent -2.27,-0.67 0.13,0.67, body extent -1,-0.63 1,0.63, height 0.8
LQFP64-10x10mm [mm]
  rect 1.194x0.305 smd paste+0 mask+0: 1(-5.75,3.75) 2(-5.75,3.25) 3(-5.75,2.75) 4(-5.75,2.25) 5(-5.75,1.75) 6(-5.75,1.25) 7(-5.75,0.75) 8(-5.75,0.25) 9(-5.75,-0.25) 10(-5.75,-0.75) 11(-5.75,-1.25) 12(-5.75,-1.75) 13(-5.75,-2.25) 14(-5.75,-2.75) 15(-5.75,-3.25) 16(-5.75,-3.75) 33(5.75,-3.75) 34(5.75,-3.25) 35(5.75,-2.75) 36(5.75,-2.25) 37(5.75,-1.75) 38(5.75,-1.25) 39(5.75,-0.75) 40(5.75,-0.25) 41(5.75,0.25) 42(5.75,0.75) 43(5.75,1.25) 44(5.75,1.75) 45(5.75,2.25) 46(5.75,2.75) 47(5.75,3.25) 48(5.75,3.75)
  rect 0.305x1.194 smd paste+0 mask+0: 17(-3.75,-5.75) 18(-3.25,-5.75) 19(-2.75,-5.75) 20(-2.25,-5.75) 21(-1.75,-5.75) 22(-1.25,-5.75) 23(-0.75,-5.75) 24(-0.25,-5.75) 25(0.25,-5.75) 26(0.75,-5.75) 27(1.25,-5.75) 28(1.75,-5.75) 29(2.25,-5.75) 30(2.75,-5.75) 31(3.25,-5.75) 32(3.75,-5.75) 49(3.75,5.75) 50(3.25,5.75) 51(2.75,5.75) 52(2.25,5.75) 53(1.75,5.75) 54(1.25,5.75) 55(0.75,5.75) 56(0.25,5.75) 57(-0.25,5.75) 58(-0.75,5.75) 59(-1.25,5.75) 60(-1.75,5.75) 61(-2.25,5.75) 62(-2.75,5.75) 63(-3.25,5.75) 64(-3.75,5.75)
  silkscreen extent -6.93,-6.85 6.85,6.85, body extent -6,-6 6,6, height 1.6
RES-2W [mm]
  round 3 hole 1.5: 1(-9.875,0.025) 2(10.1,-0.025)
  silkscreen extent -7.9,-2.93 8.13,2.95, body extent -9.86,-2.79 10.01,2.79, height 5.59
RES-0805 [mm]
  rect 0.8x1.25 smd mask+0.015: 1(-1,0) 2(1,0)
  silkscreen extent -1.52,-0.76 1.52,0.76, body extent -1,-0.62 1,0.63, height 0.6
RES-2512 [mm]
  rect 1.8x1.45 smd: 1(-3.275,-1.225) 1(-3.275,1.225) 2(3.275,-1.225) 2(3.275,1.225)
  silkscreen extent -4.28,-2.05 4.25,2.05, body extent -3.2,-1.6 3.2,1.6, height 0.6
SMTC-TSW-104-08-X-S [mm] ".025 SQ Post Terminal Strip Assembly, 1x4 Pins, Vertical, 2.54mm Pitch, Male"
  rect 1.55x1.55 hole 1.02: 1(0,0)
  round 1.55 hole 1.02: 2(2.54,0) 3(5.08,0) 4(7.62,0)
  silkscreen extent -1.46,-1.27 9.08,1.27, body extent -1.27,-1.27 8.89,1.27, height 8.38
SOIC-8-MFG [mm]
  rect 1.98x0.53 smd paste+0 mask+0: 1(-2.465,1.905) 2(-2.465,0.635) 3(-2.465,-0.635) 4(-2.465,-1.905) 5(2.465,-1.905) 6(2.465,-0.635) 7(2.465,0.635) 8(2.465,1.905)
  silkscreen extent -4.27,-2.5 1.1,2.5, body extent -3.55,-2.75 3.55,2.75, height 0.25
SOT23-5_N [mm]
  rrect25% 0.85x0.4 smd: 1(-1.125,0.65) 2(-1.125,0) 3(-1.125,-0.65) 4(1.125,-0.65) 5(1.125,0.65)
  silkscreen extent -1.25,-1.1 0.3,1.52, body extent -1.14,-1 1.14,1, height 0.94
SOT-23-5 [mm]
  rect 0.9x0.65 smd: 1(-1.2,0.95) 2(-1.2,0) 3(-1.2,-0.95) 4(1.2,-0.95) 5(1.2,0.95)
  silkscreen extent -1.32,-1.55 0.35,1.95, body extent -1.4,-1.45 1.4,1.45, height 1.24
SOT-223-3 [mm]
  rect 0.95x1.9 smd: 1(-2.3,-3.05) 2(0,-3.05) 3(2.3,-3.05)
  rect 3.25x1.9 smd: 2(0,3.05)
  silkscreen extent -3.3,-4.2 3.3,4.2, body extent -3.25,-3.5 3.25,3.5, height 1.7
Sullins_SWR25X-NRTC-S06-ST-BA_MFG [mm]
  rect 1.55x1.55 hole 1 paste-2539.97 mask+0: 1(-6.35,0.3)
  round 1.55 hole 1 paste-2539.97 mask+0: 2(-3.81,0.3) 3(-1.27,0.3) 4(1.27,0.3) 5(3.81,0.3) 6(6.35,0.3)
  silkscreen extent -7.8,-3.68 7.8,3.05, body extent -7.9,-3.15 7.9,3.15, height 0.25
Test_Point [mm]
  round 2.5 hole 0.95: 1(0,0)
TO-220_Bended_Rad [mil]
  oval 70x90 hole 40: 1(-120,-120) 2(-20,-120) 3(80,-120)
  round 110 hole 55: 2(-20,130)
  silkscreen extent -320,-170 280,270, body extent -315,-165 275,265, height 997
US1G_SMA [mm]
  rect 2.5x1.7 smd paste+0 mask+0: 1(-2,0) 2(2,0)
  silkscreen extent -3.92,-1.46 2.3,1.46, body extent -3.35,-1.56 3.35,1.56, height 0.25
WE-PD2_1054 [mm] "SMD Power Inductor, 2-Leads, body 10x9mm"
  rect 3.75x9.5 smd: 1(-1273.125,-1270) 2(-1266.875,-1270)
  silkscreen extent -1275.62,-1270.12 -1275.37,-1269.88, body extent -1275.04,-1274.5 -1264.96,-1265.5, height 5.43
WE-PD2_7850 [mm] "SMD Power Inductor, 2-Leads, body 7.8x7mm"
  rect 3x7.5 smd: 1(-2.5,0) 2(2.5,0)
  silkscreen extent -4.59,-0.12 -4.34,0.12, body extent -3.81,-3.5 3.81,3.5, height 4.95